# Altium PCB Zenit Stand PCB_2.PcbDoc (part 1 of 2)
Units mm, origin at the board's own origin, x right, y up, seen from the top; angles counter-clockwise.
Board outline 177.55 x 120.61 mm, 2 copper layers (Top Layer, Bottom Layer); 178 components, 270 nets, 816 pads, 93 vias.
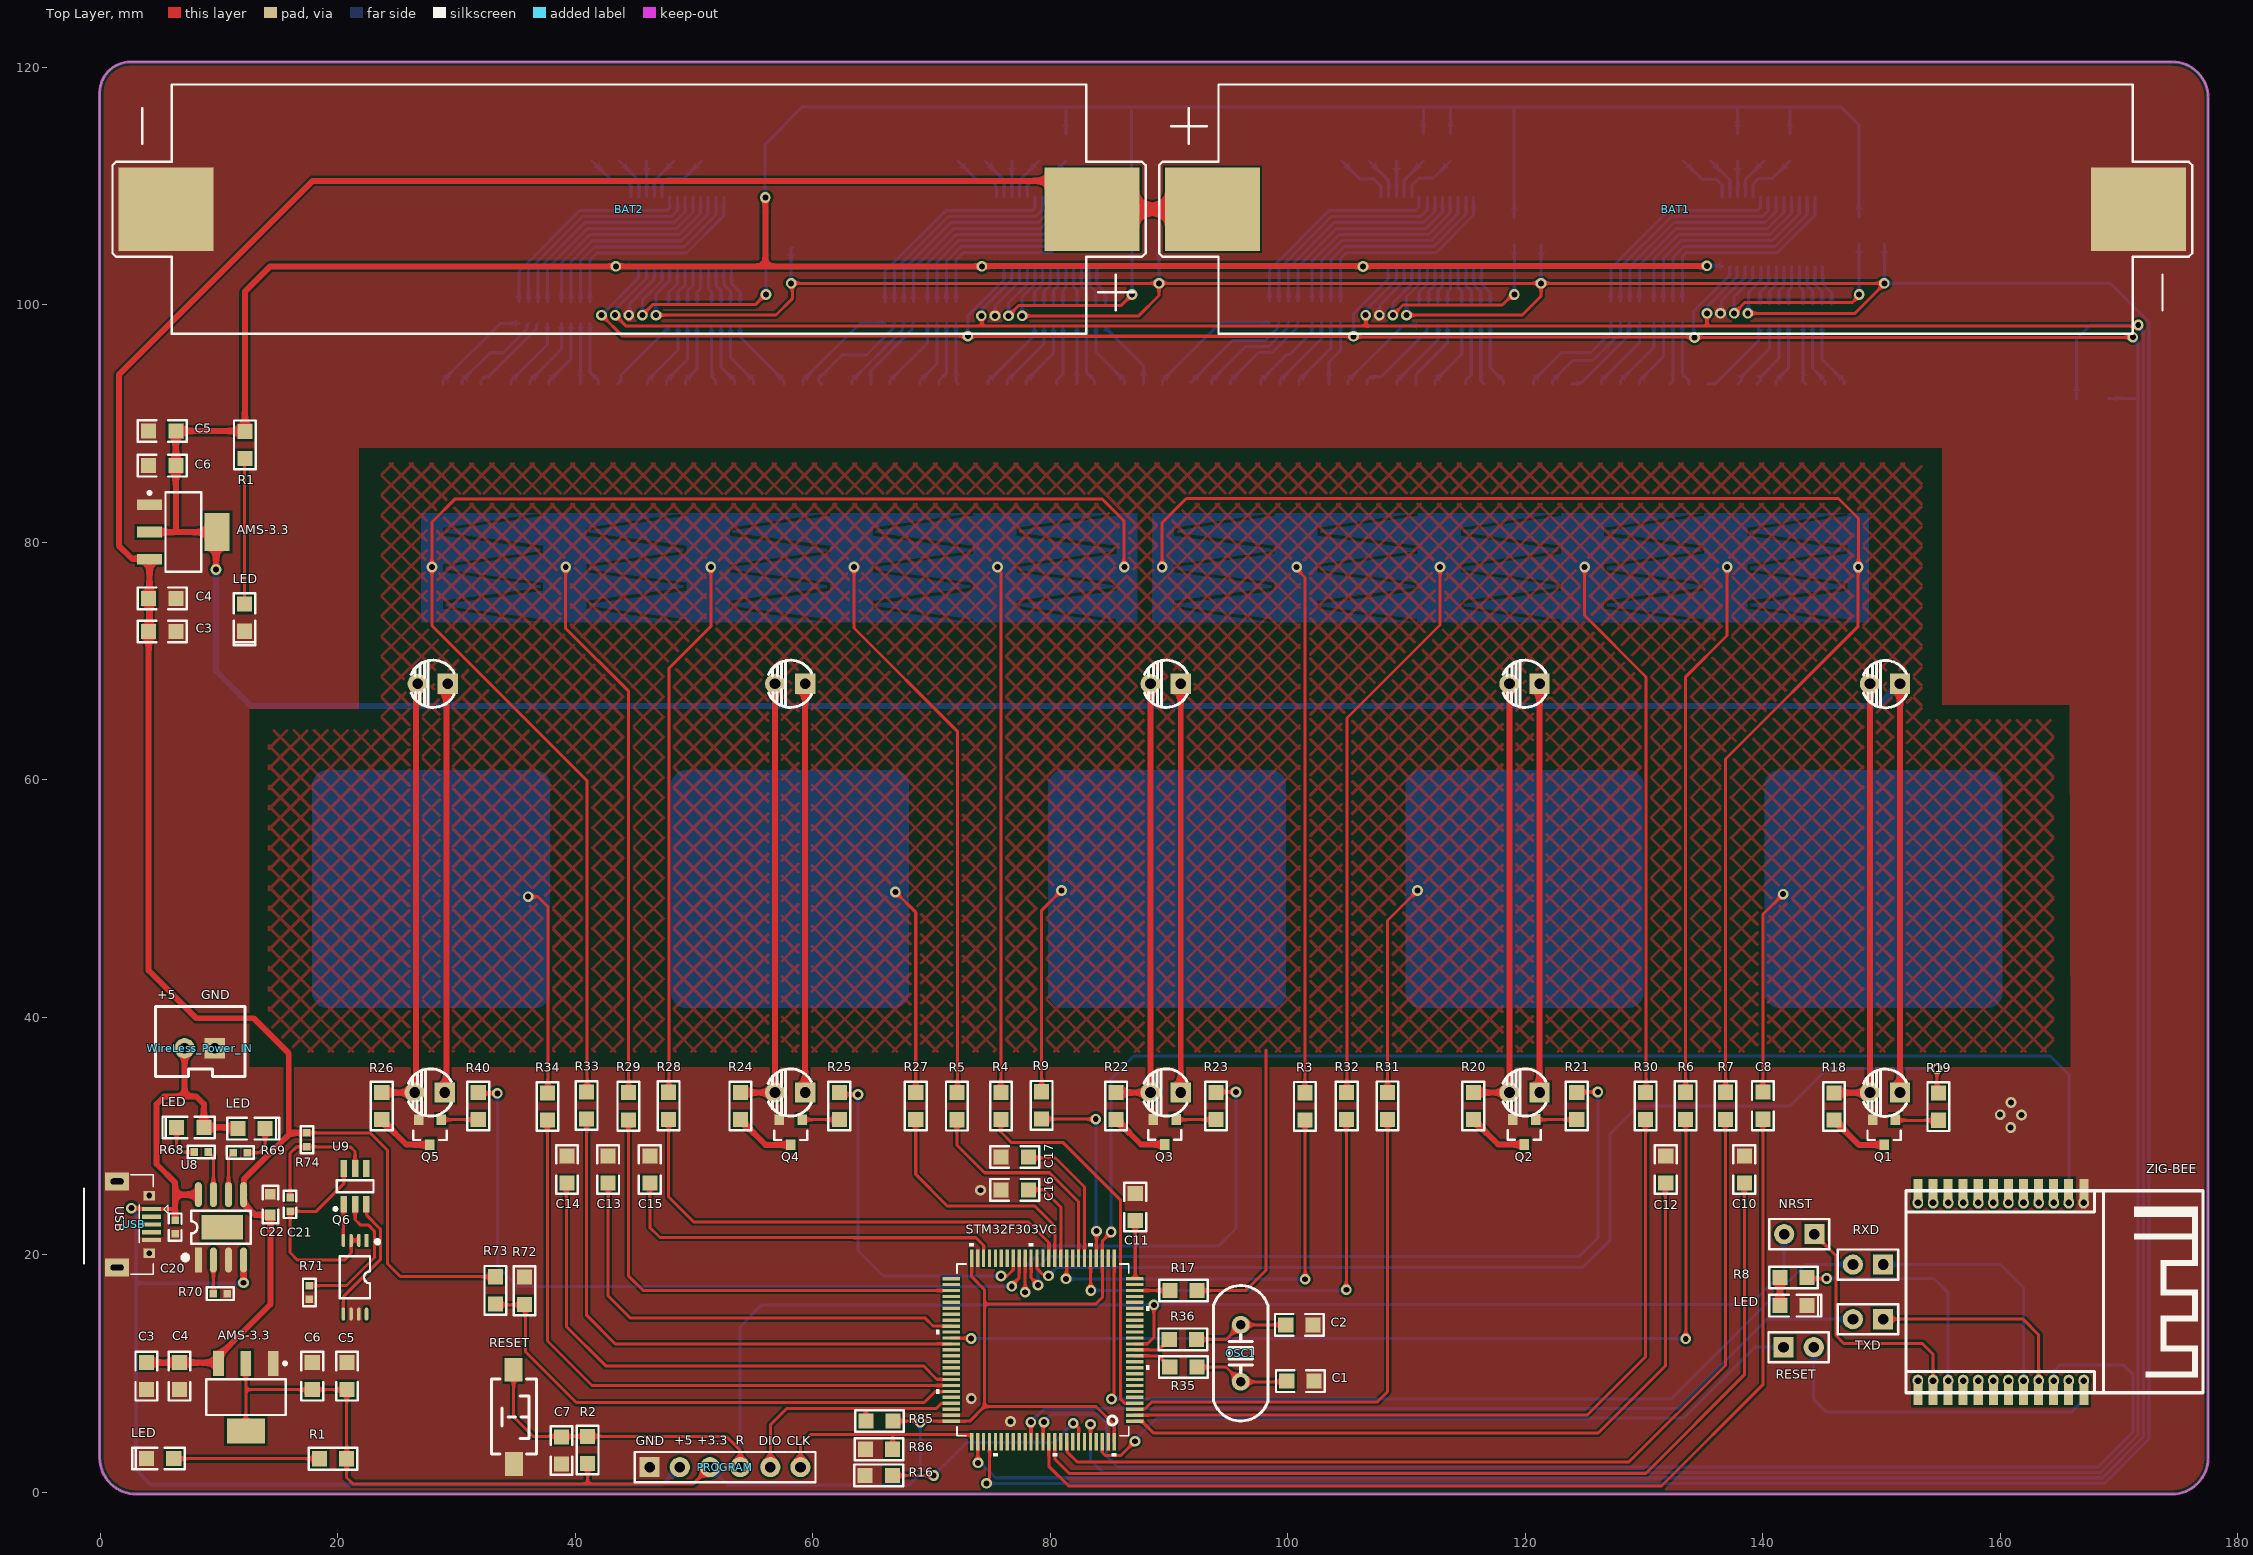
[diagram p0: Top Layer view]
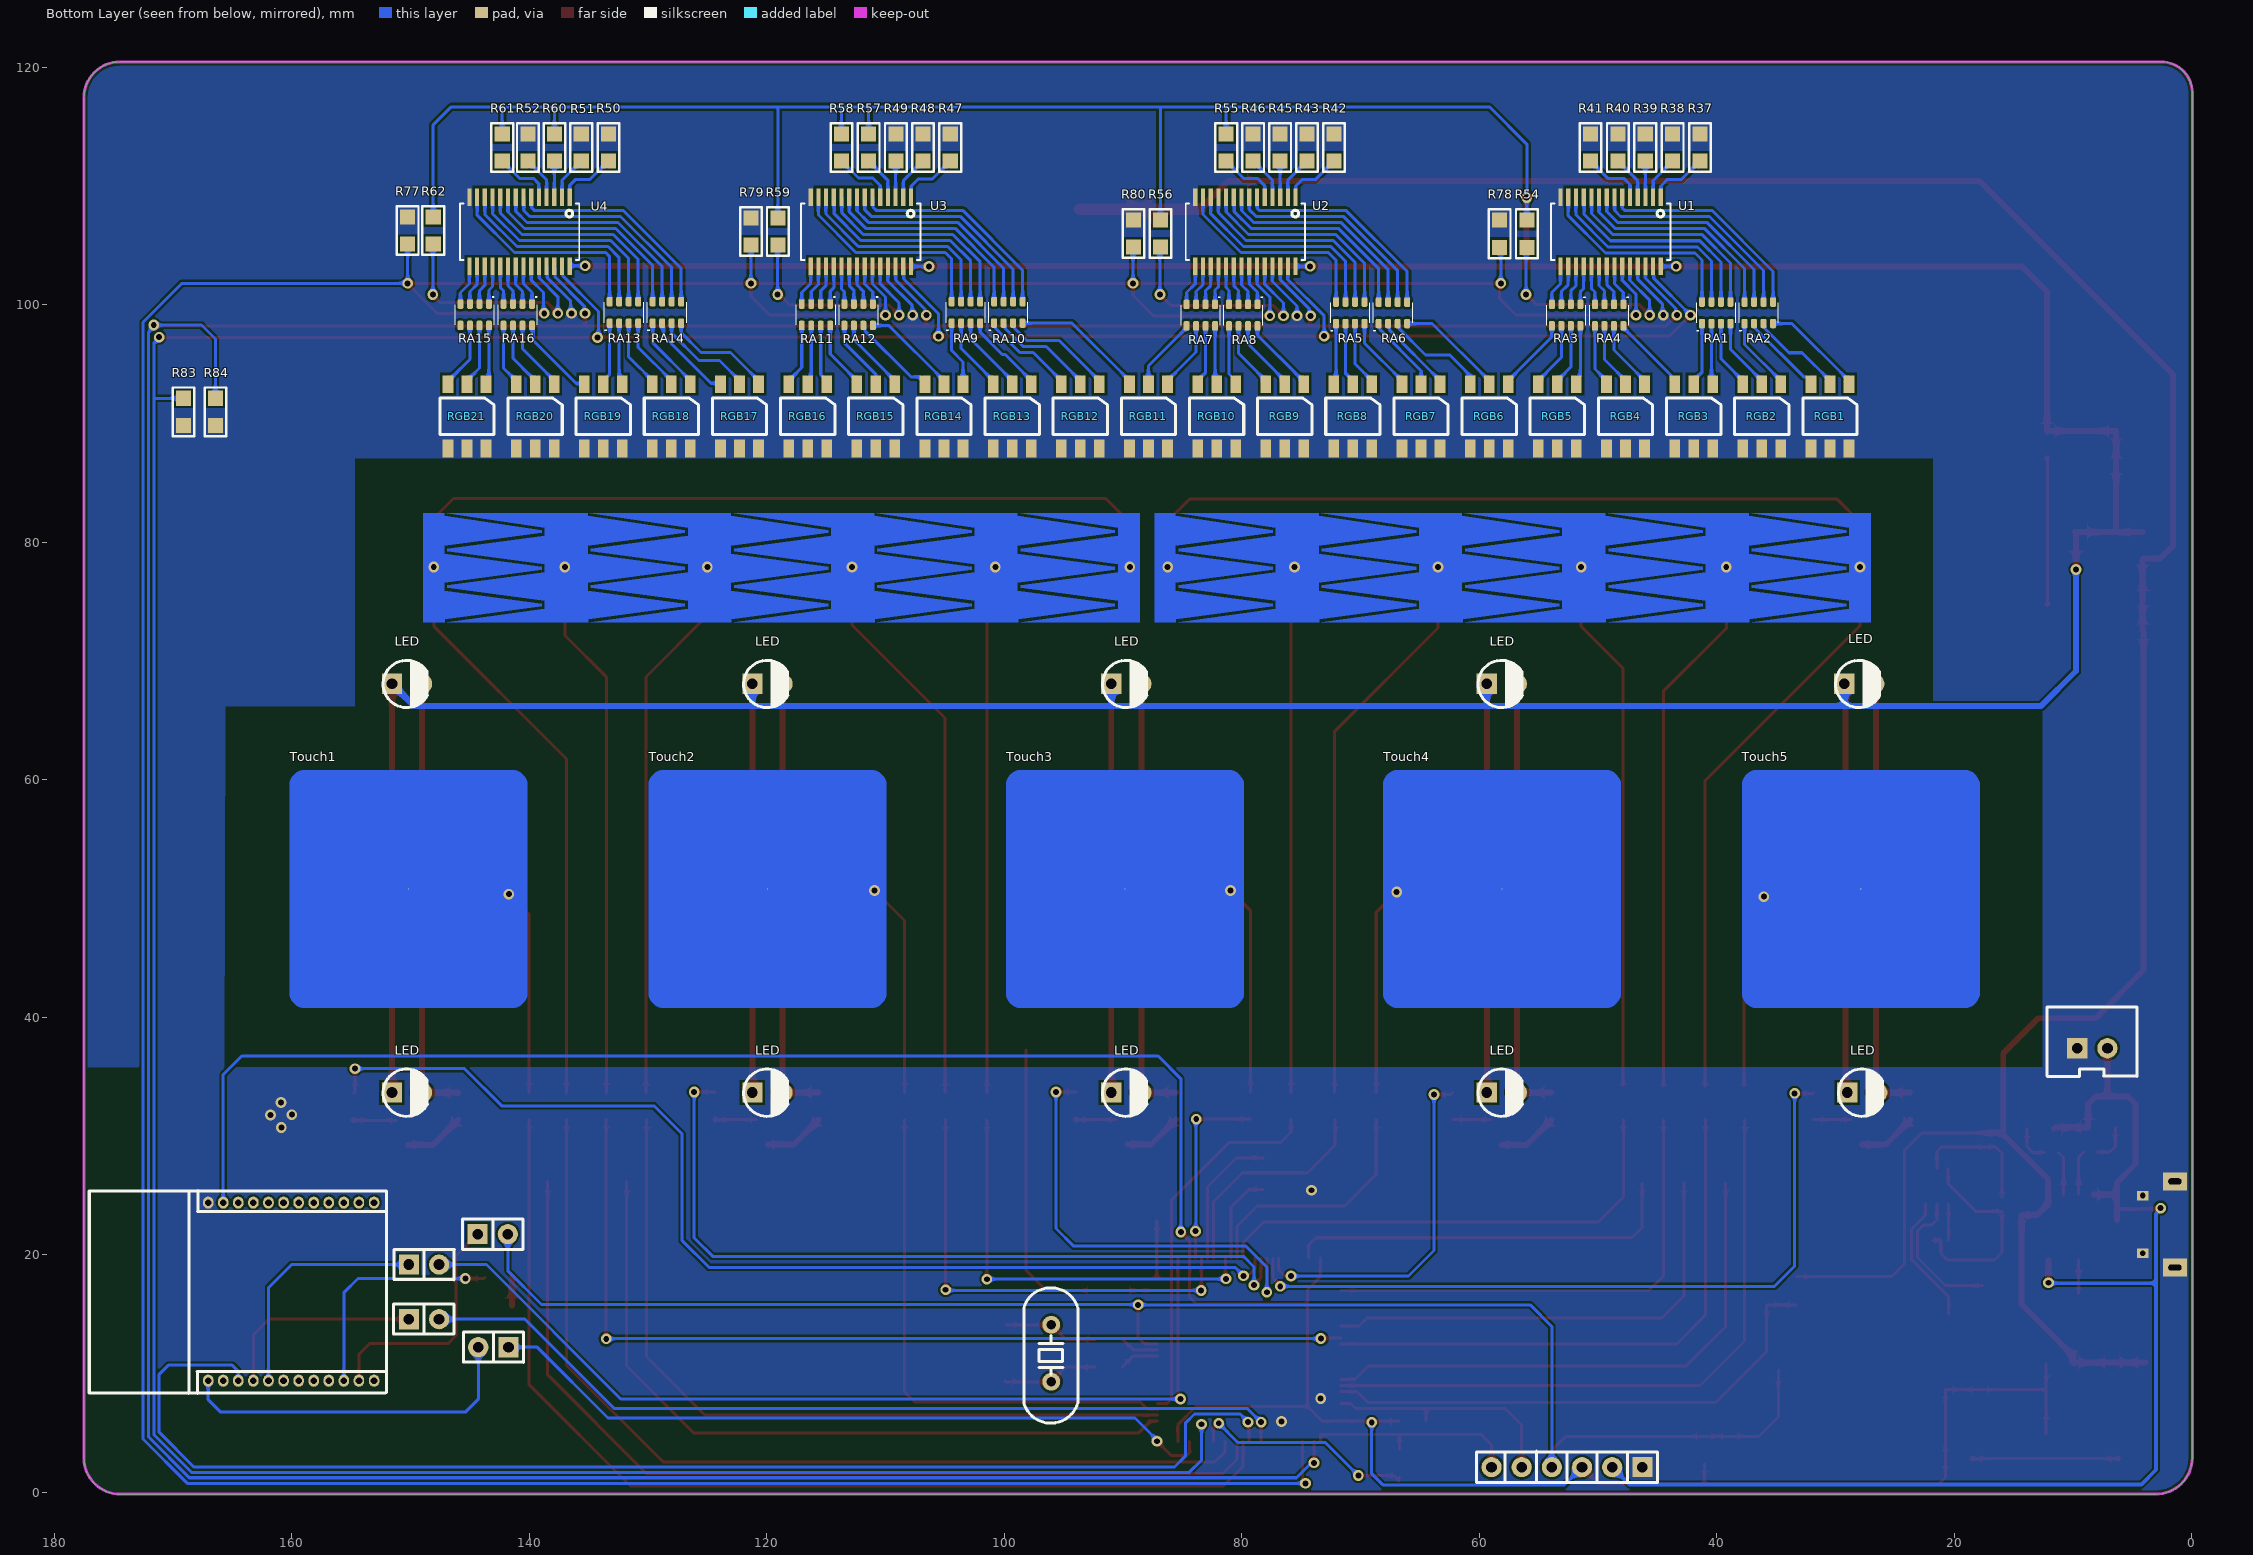
[diagram p1: Bottom Layer view, seen from below]

## Layer stack, top to bottom
Top Solder: solder mask 0.0102, Solder Resist, Dk 3.5
Top Layer: signal copper 0.0356
Dielectric 1: dielectric 0.32, FR-4, Dk 4.8
Bottom Layer: signal copper 0.0356
Bottom Solder: solder mask 0.0102, Solder Resist, Dk 3.5

## Board outline
-0.038,2.915 -0.038,117.907 cw(c2.549,117.885) 2.572,120.472 174.498,120.472 cw(c174.498,117.456) 177.514,117.456 177.514,2.908 cw(c174.463,2.911) 174.46,-0.14 3.048,-0.14 cw(c3.032,2.931)

## Design rules (kind name [scope] priority, off if disabled: settings)
Clearance Clearance_1 [InNamedPolygon('SHIELD-OUT_L01_P000')] p1: gap=2 ignorepadtopadclearanceinfootprint=FALSE
Clearance SHIELD [InNamedPolygon('SHIELD-OUT_L01_P000')] p2: gap=0.508 ignorepadtopadclearanceinfootprint=FALSE
Clearance [All] p3: gap=0.2 ignorepadtopadclearanceinfootprint=FALSE
PolygonConnect PolygonConnect_6 [All vs IsNamedPolygon('NONET_L-01_P-001')] p1: connectstyle=Direct reliefconductorwidth=0.254 reliefentries=4 polygonreliefangle="90 Angle" airgapwidth=0.254
PolygonConnect PolygonConnect_5 [All vs IsNamedPolygon('NONET_L-01_P-001')] p2: connectstyle=Direct reliefconductorwidth=0.254 reliefentries=4 polygonreliefangle="90 Angle" airgapwidth=0.254
PolygonConnect PolygonConnect_4 [All vs IsNamedPolygon('GND_L01_P002')] p3: connectstyle=Direct reliefconductorwidth=0.254 reliefentries=4 polygonreliefangle="90 Angle" airgapwidth=0.254
PolygonConnect PolygonConnect_3 [All vs IsNamedPolygon('NONET_L02_P003')] p4: thpad.connectstyle=Direct thpad.reliefconductorwidth=0.254 thpad.reliefentries=4 thpad.polygonreliefangle="90 Angle" thpad.airgapwidth=0.254 smdpad.connectstyle=Direct smdpad.reliefconductorwidth=0.254 smdpad.reliefentries=4 smdpad.polygonreliefangle="90 Angle" smdpad.airgapwidth=0.254 via.connectstyle=Relief via.reliefconductorwidth=0.254 via.reliefentries=4 via.polygonreliefangle="90 Angle" via.airgapwidth=0.254
PolygonConnect PolygonConnect_2 [All vs IsNamedPolygon('NONET_L01_P002')] p5: thpad.connectstyle=Direct thpad.reliefconductorwidth=0.254 thpad.reliefentries=4 thpad.polygonreliefangle="90 Angle" thpad.airgapwidth=0.254 smdpad.connectstyle=Direct smdpad.reliefconductorwidth=0.254 smdpad.reliefentries=4 smdpad.polygonreliefangle="90 Angle" smdpad.airgapwidth=0.254 via.connectstyle=Relief via.reliefconductorwidth=0.254 via.reliefentries=4 via.polygonreliefangle="90 Angle" via.airgapwidth=0.254
PolygonConnect PolygonConnect_1 [All vs IsNamedPolygon('SHIELD-OUT_L01_P000')] p6: thpad.connectstyle=Direct thpad.reliefconductorwidth=0.254 thpad.reliefentries=4 thpad.polygonreliefangle="90 Angle" thpad.airgapwidth=0.254 smdpad.connectstyle=Direct smdpad.reliefconductorwidth=0.254 smdpad.reliefentries=4 smdpad.polygonreliefangle="90 Angle" smdpad.airgapwidth=0.254 via.connectstyle=Relief via.reliefconductorwidth=0.254 via.reliefentries=4 via.polygonreliefangle="90 Angle" via.airgapwidth=0.254
PolygonConnect [All] p7: connectstyle=Relief reliefconductorwidth=0.254 reliefentries=4 polygonreliefangle="90 Angle" airgapwidth=0.254
RoutingVias [All] p1: holewidth=0.5 width=0.9 viastyle="Through Hole" minholewidth=0.5 minwidth=0.9 maxholewidth=0.5 maxwidth=0.9
SolderMaskExpansion [All] p1: expansion=0.102 istentingtop=FALSE
Width [All] p1: maxlimit=1 minlimit=0.254 preferedwidth=0.5
30 further rules are at their usual default settings.

## Classes and differential pairs
component class Sheet7: RA1 RA2 RA3 RA4 RA5 RA6 RA7 RA8 RA9 RA10 RA11 RA12 RA13 RA14 RA15 RA16
component class Sheet5: BAT1 BAT2 C20 C21 C22 LED Q6 R68 R69 R70 R71 R72 R73 R74 RGB1 RGB2 RGB3 RGB4 RGB5 RGB6 RGB7 RGB8 RGB9 RGB10 RGB11 RGB12 RGB13 RGB14 RGB15 RGB16 RGB17 RGB18 RGB19 RGB20 RGB21 U8 U9 USB WireLess_Power_IN
component class Sheet4: R37 R38 R39 R40 R41 R42 R43 R45 R46 R47 R48 R49 R50 R51 R52 R54 R55 R56 R57 R58 R59 R60 R61 R62 R77 R78 R79 R80 U2 U3 U4
component class Sheet3: C8 C10 C11 C12 C13 LED NRST Q1 Q2 Q3 Q4 Q5 R3 R4 R5 R6 R7 R8 R17 R18 R19 R20 R21 R22 R23 R24 R25 R26 R27 R28 R29 R30 R31 R32 R33 R34 R40 RXD ss Touch1 Touch2 Touch3 Touch4 Touch5 ZIG-BEE
component class Sheet1: AMS-3.3 C1 C2 C3 C4 C5 C6 C7 LED OSC1 "Power (5V)" R1 R2 R16 R35 R36 R83 R84 R85 R86 RESET

## Components (designator, comment, footprint, x,y, rotation, side; value= is the part's Value field where it differs from the comment)
AMS-3.3 "AMS1117-3V3" SOT223_L 7.004,80.88 r0 top (schematic designator U6)
AMS-3.3 "AMS1117-3V3" SOT223_L 12.268,8.02 r270 top (schematic designator U6)
BAT1 "Battery 1850" "18650 SINGLE 2" 137.173,109.064 r0 top
BAT2 "Battery 1850" "18650 SINGLE 2" 40.037,107.064 r180 top
C1 "20pF" "C 0805" 101.067,9.373 r180 top
C2 "20pF" "C 0805" 100.984,14.116 r180 top
C3 "100nF" "C 0805" 5.226,72.498 r180 top
C3 "100nF" "C 0805" 3.886,9.798 r90 top
C4 "10uF" "C 0805" 5.226,75.292 r180 top
C4 "10uF" "C 0805" 6.68,9.798 r90 top
C5 "10uF" "C 0805" 5.226,89.389 r0 top
C5 "10uF" "C 0805" 20.777,9.798 r270 top
C6 "100nF" "C 0805" 5.226,86.468 r0 top
C6 "100nF" "C 0805" 17.856,9.798 r270 top
C7 "100nF" "C 0805" 38.856,3.524 r90 top
C8 "47nF" "C 0805" 140.017,32.569 r90 top
C10 "47nF" "C 0805" 138.455,27.197 r90 top
C11 "47nF" "C 0805" 87.166,24.035 r90 top
C12 "47nF" "C 0805" 131.839,27.197 r90 top
C13 "47nF" "C 0805" 42.78,27.197 r90 top
C14 "47nF" "C 0805" 39.313,27.197 r90 top (schematic designator C13)
C15 "47nF" "C 0805" 46.285,27.197 r90 top (schematic designator C13)
C16 "47nF" "C 0805" 77.019,25.483 r180 top (schematic designator C13)
C17 "47nF" "C 0805" 77.019,28.245 r180 top (schematic designator C13)
C20 "01.uF" "C 0402" 6.318,22.352 r90 top
C21 "0.1uF" "C 0402" 15.992,24.257 r90 top
C22 "10uF" "C 0603" 14.337,24.232 r270 top
LED "LED-SMD" "LED 0805R" 12.16,73.666 r270 top (schematic designator LED1)
LED "LED-SMD" "LED 0805R" 7.583,30.74 r180 top (schematic designator LED13)
LED "LED-SMD" "LED 0805G" 12.746,30.639 r0 top (schematic designator LED14)
LED "" "LED 3MM-B" 27.749,33.68 r180 bottom (schematic designator LED12)
LED "" "LED 3MM-B" 58.102,68.097 r180 bottom (schematic designator LED10)
LED "" "LED 3MM-B" 58.102,33.68 r180 bottom (schematic designator LED9)
LED "" "LED 3MM-B" 89.725,68.097 r180 bottom (schematic designator LED8)
LED "" "LED 3MM-B" 89.725,33.68 r180 bottom (schematic designator LED7)
LED "" "LED 3MM-B" 119.951,68.097 r180 bottom (schematic designator LED6)
LED "" "LED 3MM-B" 119.951,33.68 r180 bottom (schematic designator LED5)
LED "" "LED 3MM-B" 150.304,68.097 r180 bottom (schematic designator LED4)
LED "" "LED 3MM-B" 150.304,33.68 r180 bottom (schematic designator LED3)
LED "" "LED 3MM-B" 28.003,68.097 r180 bottom (schematic designator LED11)
LED "LED-SMD" "LED 0805B" 142.604,15.735 r0 top (schematic designator LED2)
LED "LED-SMD" "LED 0805R" 5.055,2.864 r180 top (schematic designator LED1)
NRST "HDR-1X2" HDR-1X2 144.355,21.755 r180 top (schematic designator ZigBee4)
OSC1 "8MHz" XTAL-HC49S-THD 96.05,11.722 r270 top
PROGRAM "Comment" HDR-1X6 46.272,2.134 r0 top
Q1 "2N7002" SOT23-3 150.228,30.378 r180 top
Q2 "2N7002" SOT23-3 119.926,30.404 r180 top
Q3 "2N7002" SOT23-3 89.649,30.404 r180 top
Q4 "2N7002" SOT23-3 58.153,30.378 r180 top
Q5 "2N7002" SOT23-3 27.768,30.385 r180 top
Q6 "FS8205A" SSOP8_L 21.451,18.122 r270 top
R1 "1K" "R 0805" 12.186,88.221 r270 top
R1 "1K" "R 0805" 19.609,2.838 r180 top
R2 "10K" "R 0805" 41.053,3.569 r90 top
R3 "10K" "R 0805" 101.448,32.518 r90 top
R4 "10K" "R 0805" 75.857,32.55 r90 top
R5 "10K" "R 0805" 72.142,32.531 r90 top
R6 "10K" "R 0805" 133.515,32.563 r90 top
R7 "10K" "R 0805" 136.868,32.563 r90 top
R8 "1K" "R 0805" 142.596,18.098 r180 top
R9 "10K" "R 0805" 79.286,32.601 r90 top (schematic designator R4)
R16 "10K" "R 0805" 65.564,1.441 r180 top
R17 "1K" "R 0805" 91.224,17.005 r0 top
R18 "2.2K" "R 0805" 146.012,32.512 r270 top
R19 "1K" "R 0805" 154.8,32.487 r90 top
R20 "2.2K" "R 0805" 115.633,32.537 r270 top
R21 "1K" "R 0805" 124.346,32.537 r90 top
R22 "LED1" "R 0805" 85.56,32.537 r270 top
R23 "=Value" "R 0805" 93.967,32.537 r90 top
R24 "2.2K" "R 0805" 53.911,32.537 r270 top
R25 "1K" "R 0805" 62.243,32.537 r90 top
R26 "2.2K" "R 0805" 23.711,32.537 r270 top
R27 "1K" "R 0805" 68.682,32.544 r90 top
R28 "1K" "R 0805" 47.873,32.563 r90 top
R29 "1K" "R 0805" 44.482,32.525 r90 top
R30 "1K" "R 0805" 130.15,32.537 r90 top
R31 "1K" "R 0805" 108.414,32.556 r270 top
R32 "1K" "R 0805" 104.972,32.537 r270 top
R33 "1K" "R 0805" 40.964,32.582 r270 top
R34 "1K" "R 0805" 37.662,32.512 r270 top
R35 "10K" "R 0805" 91.218,10.56 r0 top
R36 "10K" "R 0805" 91.173,12.89 r0 top
R37 "10K" "R 0805" 41.421,113.271 r270 bottom
R38 "10K" "R 0805" 43.724,113.271 r270 bottom
R39 "10K" "R 0805" 46.028,113.271 r270 bottom
R40 "10K" "R 0805" 48.331,113.271 r270 bottom
R40 "1K" "R 0805" 31.839,32.537 r90 top (schematic designator 40)
R41 "10K" "R 0805" 50.635,113.271 r270 bottom
R42 "10K" "R 0805" 72.238,113.271 r270 bottom
R43 "10K" "R 0805" 74.508,113.271 r270 bottom
R45 "10K" "R 0805" 76.778,113.271 r270 bottom
R46 "10K" "R 0805" 79.048,113.271 r270 bottom
R47 "10K" "R 0805" 104.553,113.271 r270 bottom
R48 "10K" "R 0805" 106.845,113.271 r270 bottom
R49 "10K" "R 0805" 109.137,113.271 r270 bottom
R50 "10K" "R 0805" 133.344,113.271 r270 bottom
R51 "10K" "R 0805" 135.63,113.271 r270 bottom
R52 "10K" "R 0805" 140.125,113.271 r270 bottom
R54 "10K" "R 0805" 56.001,106 r270 bottom
R55 "10K" "R 0805" 81.318,113.271 r270 bottom
R56 "10K" "R 0805" 86.855,106.019 r270 bottom
R57 "10K" "R 0805" 111.43,113.271 r270 bottom
R58 "10K" "R 0805" 113.722,113.271 r270 bottom
R59 "10K" "R 0805" 119.075,106.191 r270 bottom
R60 "10K" "R 0805" 137.884,113.271 r270 bottom
R61 "10K" "R 0805" 142.284,113.271 r270 bottom
R62 "10K" "R 0805" 148.095,106.28 r270 bottom
R68 "1K" "R 0402" 8.407,29.102 r0 top
R69 "1K" "R 0402" 11.906,28.188 r180 top
R70 "1.2K" "R 0402" 10.222,16.307 r180 top
R71 "1K" "R 0402" 17.182,16.739 r90 top
R72 "300K" "R 0805" 35.738,16.986 r90 top
R73 "100K" "R 0805" 33.28,17.024 r270 top
R74 "100" "R 0402" 17.842,29.794 r270 top
R77 "10K" "R 0805" 150.254,106.28 r90 bottom
R78 "10K" "R 0805" 58.287,106.001 r90 bottom
R79 "10K" "R 0805" 121.336,106.191 r90 bottom
R80 "10K" "R 0805" 89.116,106.02 r90 bottom
R83 "10K" "R 0805" 169.119,91.002 r270 bottom
R84 "10K" "R 0805" 166.433,91.002 r270 bottom
R85 "10K" "R 0805" 65.621,6.02 r0 top
R86 "10K" "R 0805" 65.589,3.639 r180 top
RA1 "1K" "RA1206 (4x0603)" 40.049,99.341 r90 bottom
RA2 "1K" "RA1206 (4x0603)" 36.462,99.341 r90 bottom
RA3 "1K" "RA1206 (4x0603)" 52.692,99.143 r270 bottom
RA4 "1K" "RA1206 (4x0603)" 49.066,99.143 r270 bottom
RA5 "1K" "RA1206 (4x0603)" 70.866,99.341 r90 bottom
RA6 "1K" "RA1206 (4x0603)" 67.278,99.341 r90 bottom
RA7 "1K" "RA1206 (4x0603)" 83.452,99.143 r270 bottom
RA8 "1K" "RA1206 (4x0603)" 79.883,99.143 r270 bottom
RA9 "1K" "RA1206 (4x0603)" 103.238,99.374 r90 bottom
RA10 "1K" "RA1206 (4x0603)" 99.663,99.374 r90 bottom
RA11 "1K" "RA1206 (4x0603)" 115.862,99.176 r270 bottom
RA12 "1K" "RA1206 (4x0603)" 112.274,99.176 r270 bottom
RA13 "1K" "RA1206 (4x0603)" 132.036,99.374 r90 bottom
RA14 "1K" "RA1206 (4x0603)" 128.416,99.374 r90 bottom
RA15 "1K" "RA1206 (4x0603)" 144.602,99.176 r270 bottom
RA16 "1K" "RA1206 (4x0603)" 140.976,99.176 r270 bottom
RESET "3x6x5" "TSW SMD-3*6*2.5" 34.836,6.337 r270 top (schematic designator SW1)
RESET "HDR-1X2" HDR-1X2 141.764,12.23 r0 top (schematic designator ZigBee1)
RGB1 "LED-RGB" "LED 5050" 30.474,90.627 r270 bottom
RGB2 "LED-RGB" "LED 5050" 36.213,90.627 r270 bottom
RGB3 "LED-RGB" "LED 5050" 41.952,90.627 r270 bottom
RGB4 "LED-RGB" "LED 5050" 47.691,90.627 r270 bottom
RGB5 "LED-RGB" "LED 5050" 53.43,90.627 r270 bottom
RGB6 "LED-RGB" "LED 5050" 59.169,90.627 r270 bottom
RGB7 "LED-RGB" "LED 5050" 64.908,90.627 r270 bottom
RGB8 "LED-RGB" "LED 5050" 70.648,90.627 r270 bottom
RGB9 "LED-RGB" "LED 5050" 76.387,90.627 r270 bottom
RGB10 "LED-RGB" "LED 5050" 82.126,90.627 r270 bottom
RGB11 "LED-RGB" "LED 5050" 87.865,90.627 r270 bottom
RGB12 "LED-RGB" "LED 5050" 93.604,90.627 r270 bottom
RGB13 "LED-RGB" "LED 5050" 99.343,90.627 r270 bottom
RGB14 "LED-RGB" "LED 5050" 105.082,90.627 r270 bottom
RGB15 "LED-RGB" "LED 5050" 110.821,90.627 r270 bottom
RGB16 "LED-RGB" "LED 5050" 116.561,90.627 r270 bottom
RGB17 "LED-RGB" "LED 5050" 122.3,90.627 r270 bottom
RGB18 "LED-RGB" "LED 5050" 128.039,90.627 r270 bottom
RGB19 "LED-RGB" "LED 5050" 133.778,90.627 r270 bottom
RGB20 "LED-RGB" "LED 5050" 139.517,90.627 r270 bottom
RGB21 "LED-RGB" "LED 5050" 145.256,90.627 r270 bottom
RXD "HDR-1X2" HDR-1X2 150.146,19.19 r180 top (schematic designator ZigBee2)
STM32F303VC "STM32F303VCT6" LQFP100_STM 79.393,12.008 r180 top (schematic designator STM32F303VC-)
Touch1 "CircularButton" ? 150.177,50.825 r180 bottom
Touch2 "CircularButton" ? 119.951,50.825 r180 bottom
Touch3 "CircularButton" ? 89.852,50.825 r180 bottom
Touch4 "CircularButton" ? 58.102,50.825 r180 bottom
Touch5 "CircularButton" ? 27.877,50.825 r180 bottom
TXD "HDR-1X2" HDR-1X2 150.146,14.592 r180 top (schematic designator ZigBee3)
U1 "PCA9685PW" SOT361-1_NXP 48.939,106.172 r270 bottom
U2 "PCA9685PW" SOT361-1_NXP 79.699,106.172 r270 bottom
U3 "PCA9685PW" SOT361-1_NXP 112.084,106.172 r270 bottom
U4 "PCA9685PW" SOT361-1_NXP 140.824,106.172 r270 bottom
U8 "TP4056" SOP8_M-EP 10.172,22.327 r90 top
U9 "DW01" SOT23-6M 21.464,25.782 r0 top
USB "USB-5P" USB-micro_B 1.422,22.568 r270 top
WireLess_Power_IN "HDR-1X2" XH2.54-2P 9.646,37.408 r180 top
ZIG-BEE "ZG-Mxx" XBee 163.989,16.624 r270 top (schematic designator U7)
